# Altium PCB EMI Board V3.PcbDoc
Units mm, origin at the board's own origin, x right, y up, seen from the top; angles counter-clockwise.
Board outline 89.28 x 104.9 mm, 2 copper layers (Top Layer, Bottom Layer); 39 components, 20 nets, 113 pads, 71 vias.
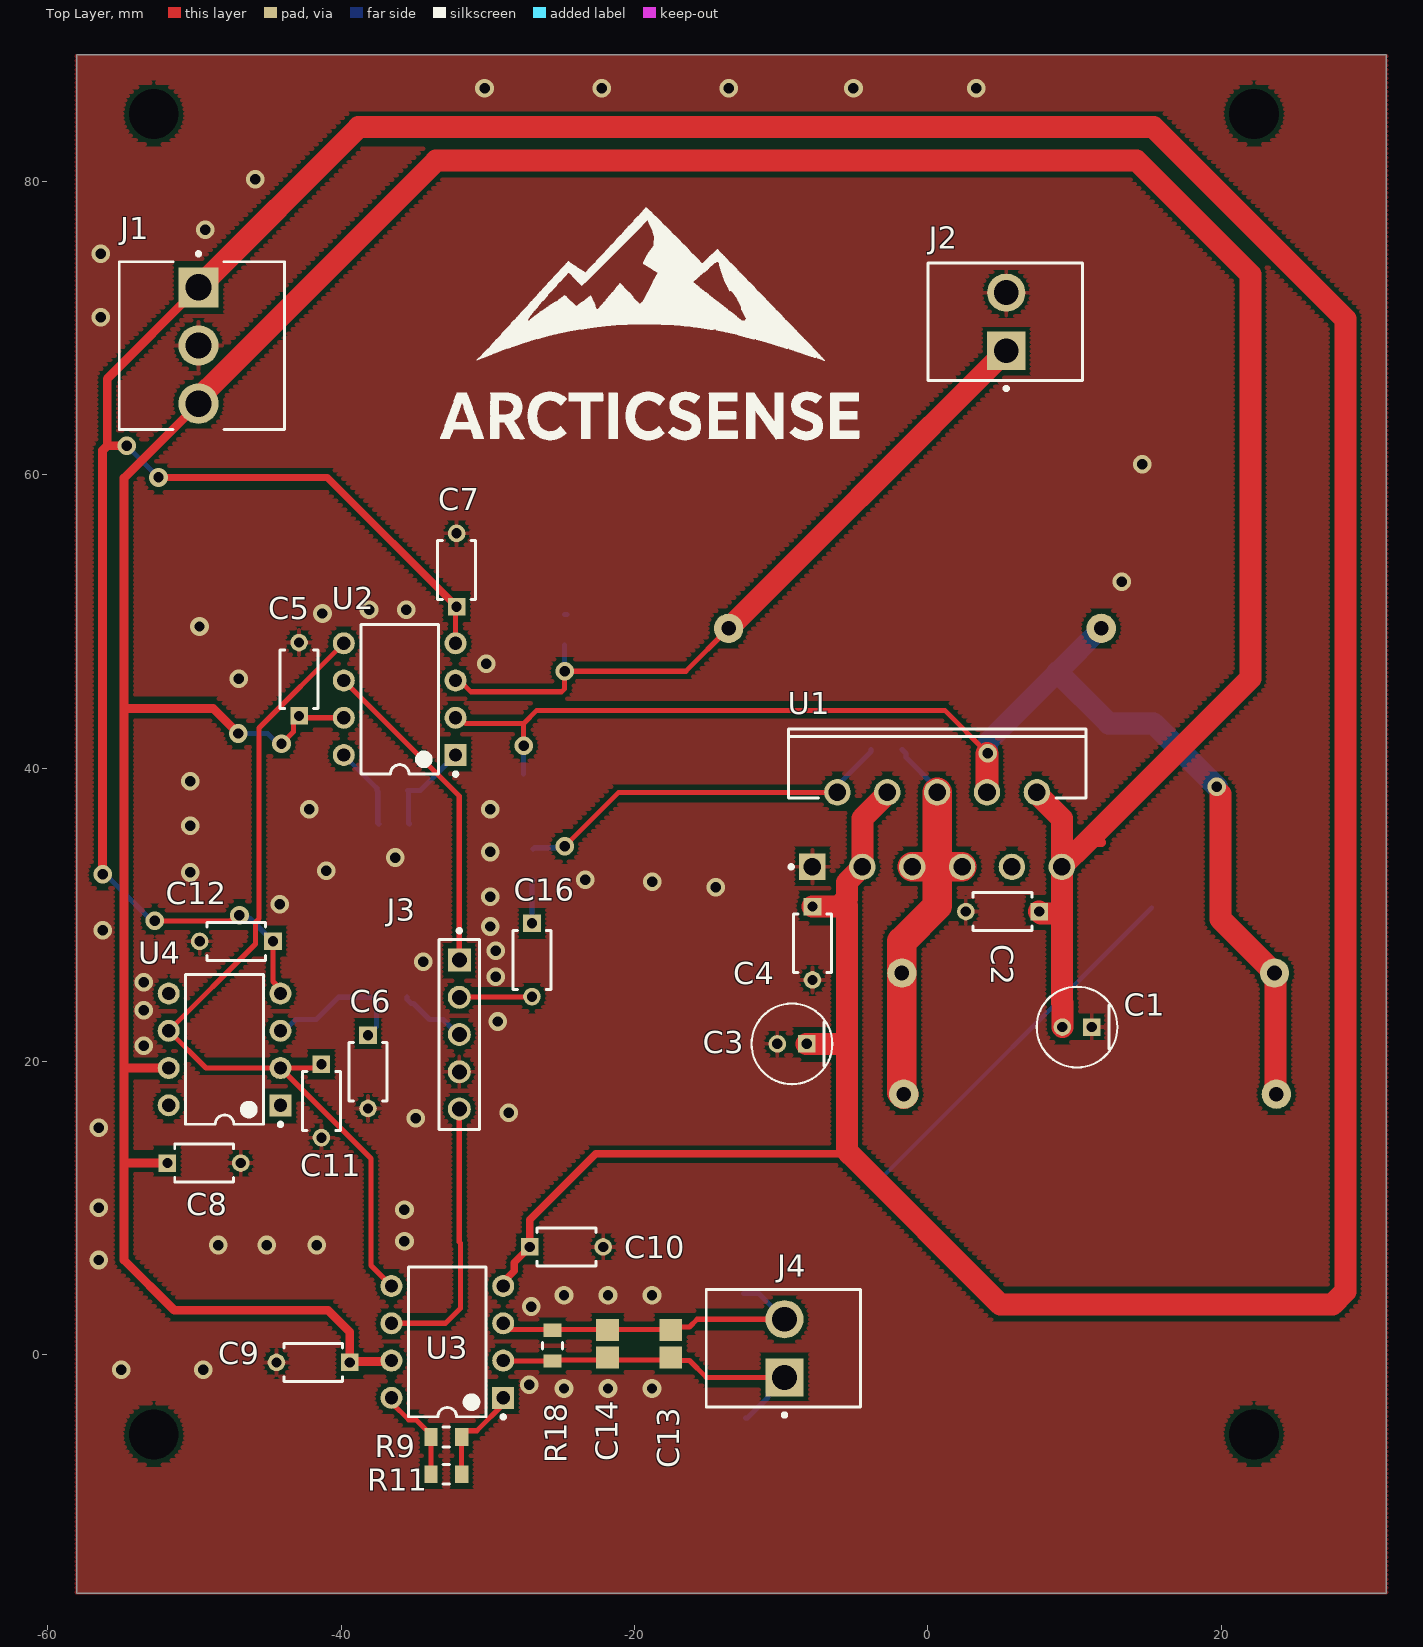
[diagram p0: Top Layer view]
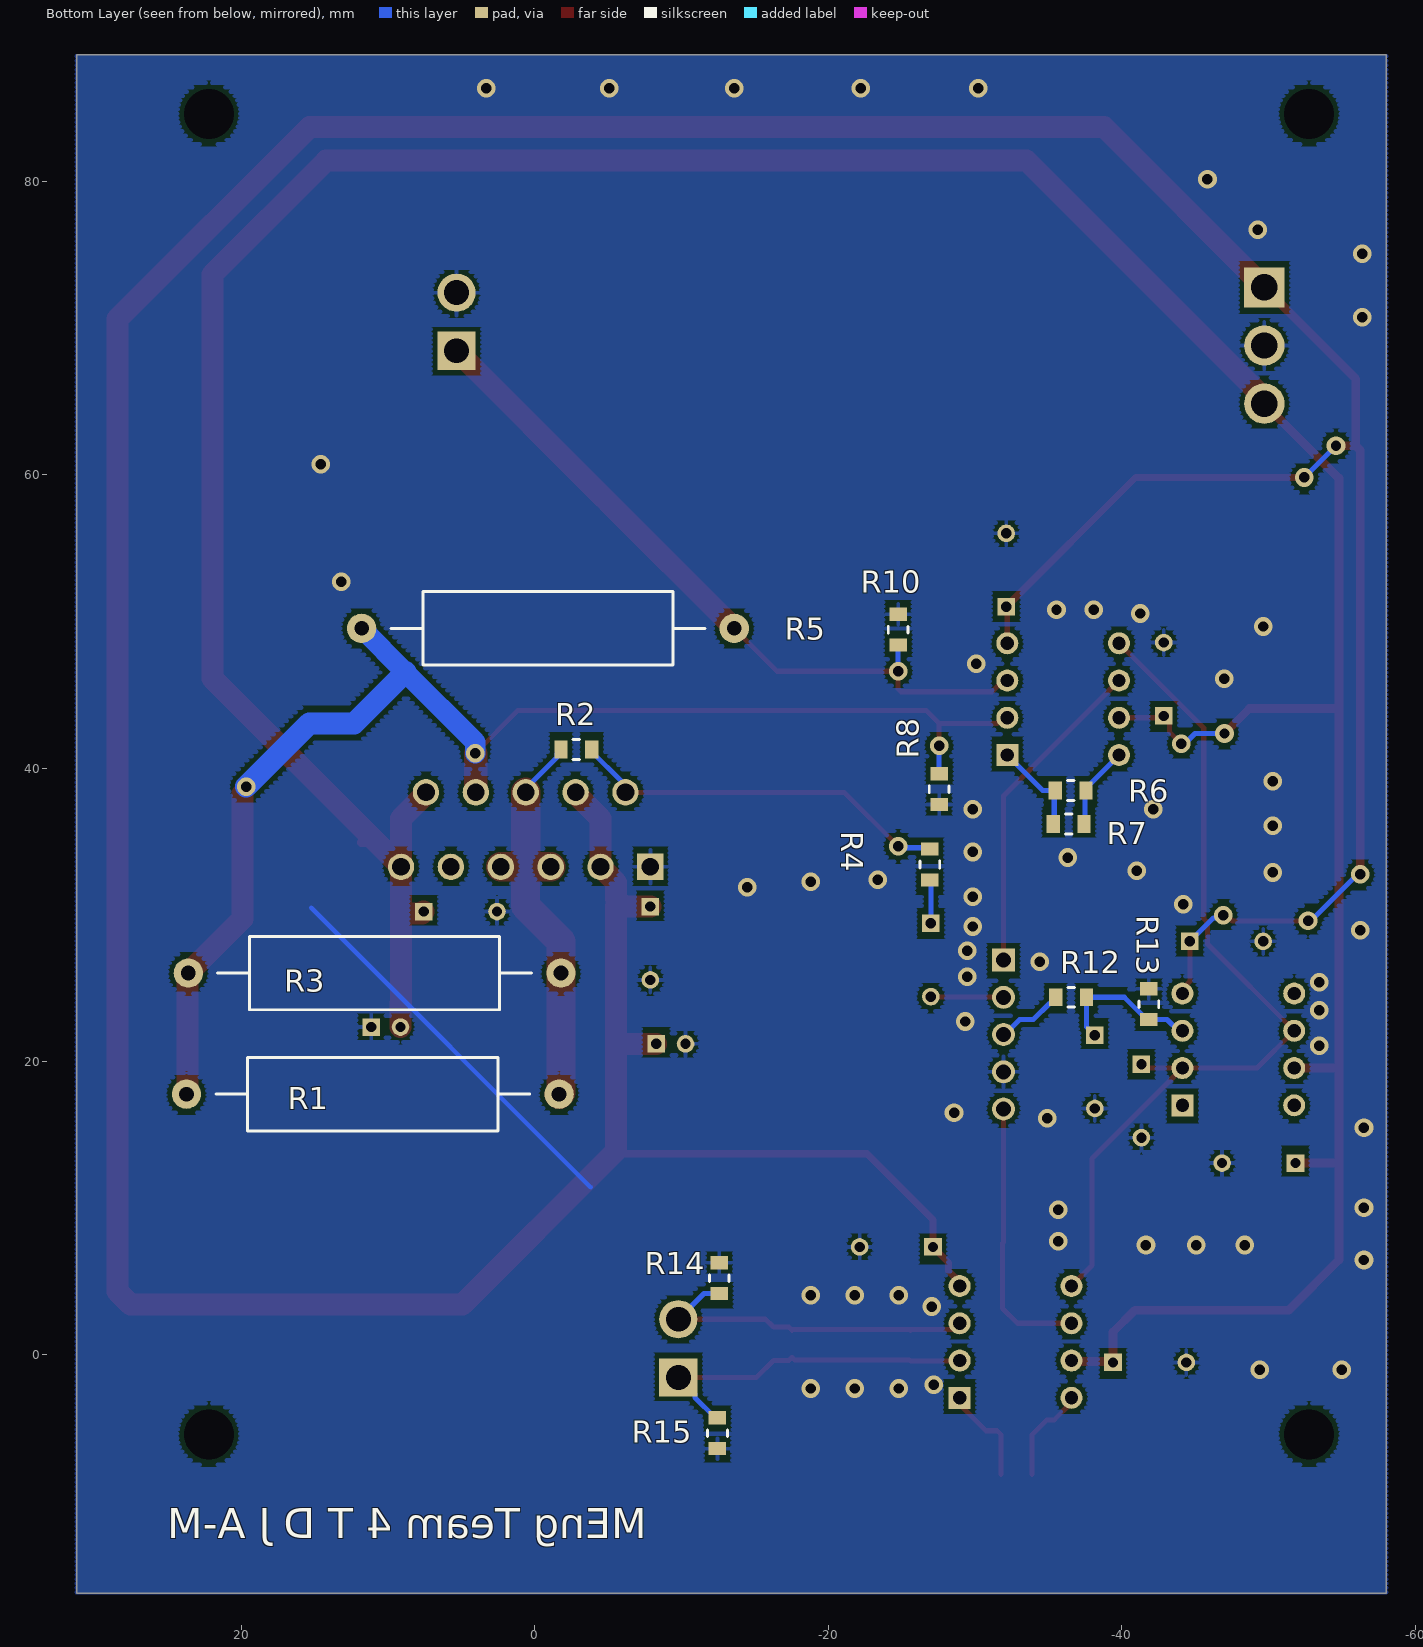
[diagram p1: Bottom Layer view, seen from below]
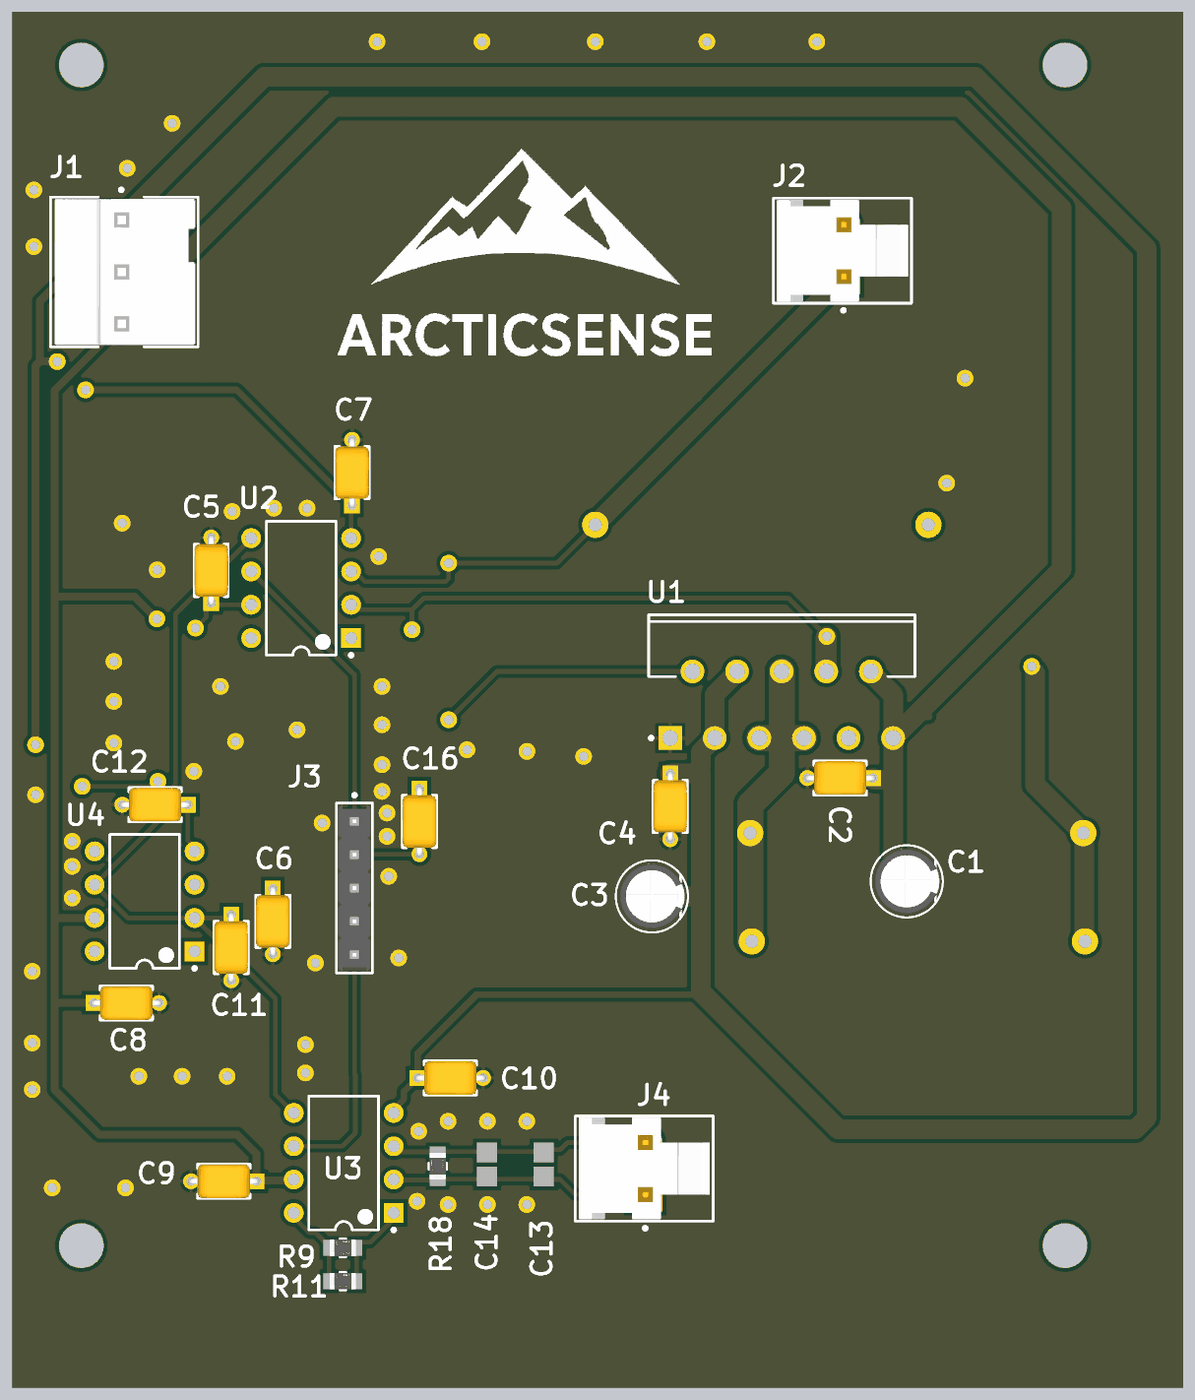
[diagram p2: 3D render of the assembled board from above, using the file's embedded part models]
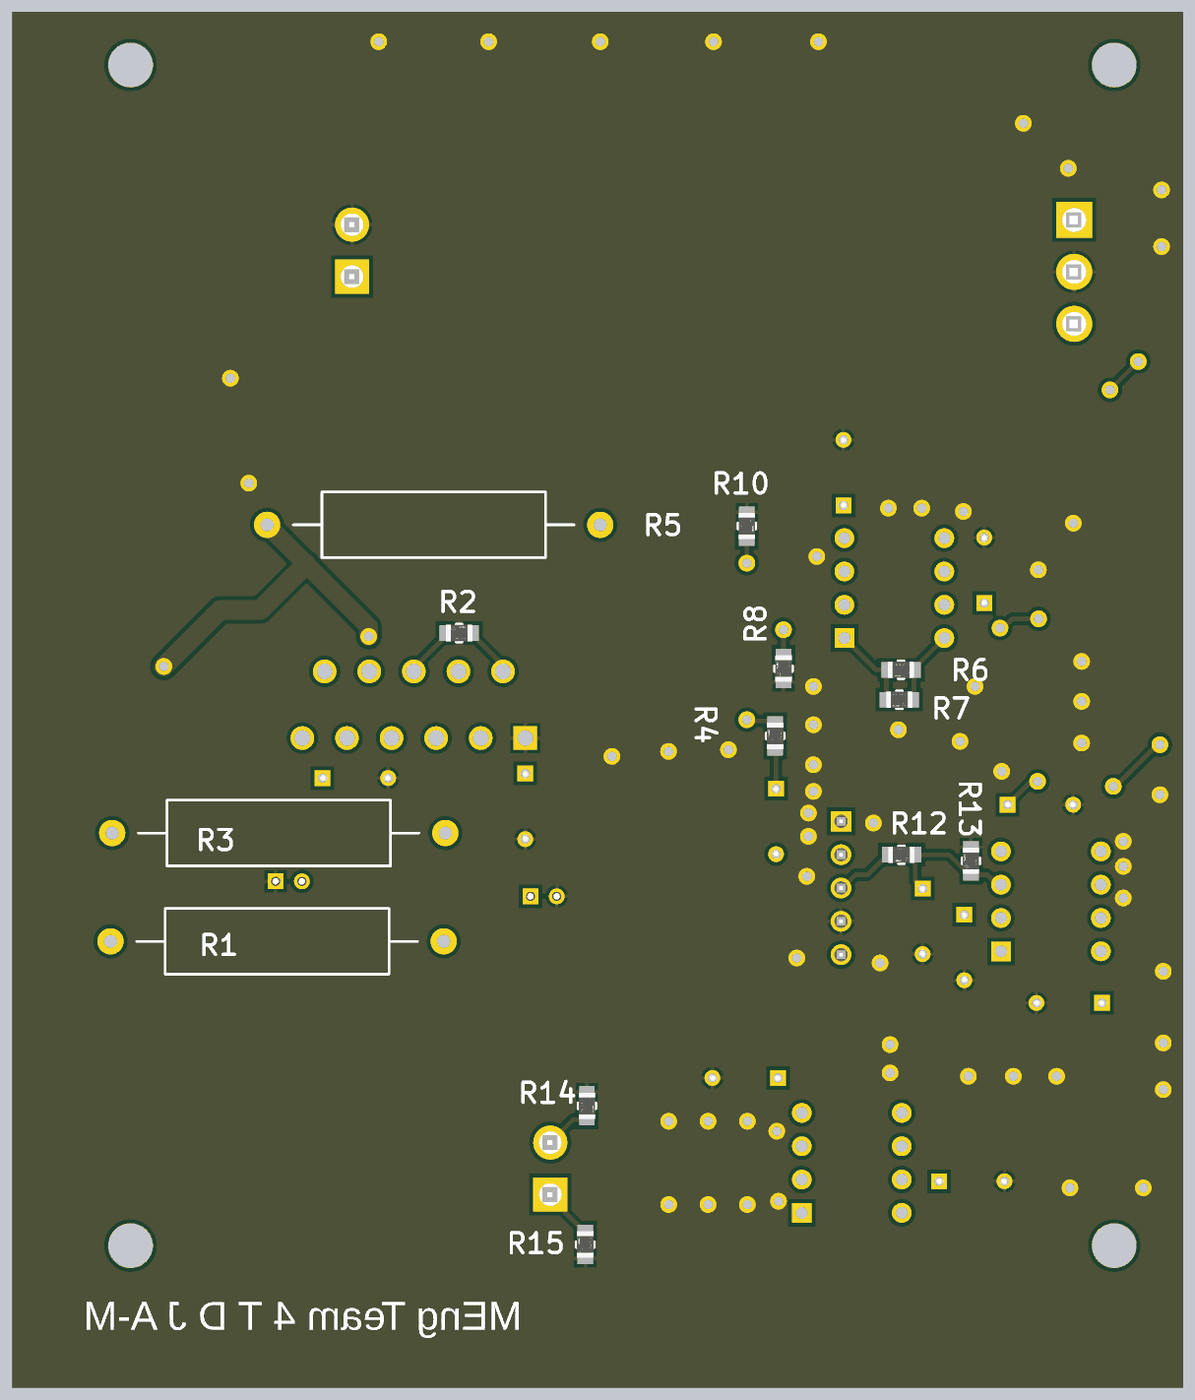
[diagram p3: 3D render of the assembled board from below, using the file's embedded part models]

## Layer stack, top to bottom
Top Solder: solder mask 0.0102, Solder Resist, Dk 3.5
Top Layer: signal copper 0.0356
Dielectric 1: dielectric 0.32, FR-4, Dk 4.8
Bottom Layer: signal copper 0.0356
Bottom Solder: solder mask 0.0102, Solder Resist, Dk 3.5

## Board outline
-58.039,-16.256 -58.039,88.646 31.242,88.646 31.242,-16.256

## Design rules (kind name [scope] priority, off if disabled: settings)
Clearance [All] p1: gap=0.3 ignorepadtopadclearanceinfootprint=FALSE
HoleSize [All] p1: absolutevalues=TRUE maxlimit=6 minlimit=0.3 maxpercent=80.000 minpercent=20.000
PlaneConnect PlaneConnect_2 [All] p1: planeconnectstyle=Relief reliefexpansion=0.508 reliefentries=4 reliefconductorwidth=0.254 reliefairgap=0.254
PlaneConnect PlaneConnect_1 [All] p2: planeconnectstyle=Relief reliefexpansion=0.508 reliefentries=4 reliefconductorwidth=0.254 reliefairgap=0.254
PlaneConnect [All] p3: planeconnectstyle=Relief reliefexpansion=0.508 reliefentries=4 reliefconductorwidth=0.254 reliefairgap=0.254
PolygonConnect IsVia [All] p1: thpad.connectstyle=Relief thpad.reliefconductorwidth=0.254 thpad.reliefentries=4 thpad.polygonreliefangle="90 Angle" thpad.airgapwidth=0.254 smdpad.connectstyle=Relief smdpad.reliefconductorwidth=0.254 smdpad.reliefentries=4 smdpad.polygonreliefangle="90 Angle" smdpad.airgapwidth=0.254 via.connectstyle=Direct via.reliefconductorwidth=0.254 via.reliefentries=4 via.polygonreliefangle="90 Angle" via.airgapwidth=0.254
RoutingVias [All] p1: holewidth=0.711 width=1.27 viastyle="Through Hole" minholewidth=0.3 minwidth=1.27 maxholewidth=6 maxwidth=1.27
SolderMaskExpansion [All] p1: expansion=0 istentingtop=FALSE
SupplyNets "Schematic Supply Nets_4" [InNet('STM ADC_REF')] p1: voltage=0.000
SupplyNets "Schematic Supply Nets_3" [InNet('+15')] p2: voltage=0.000
SupplyNets "Schematic Supply Nets_2" [InNet('GND')] p3: voltage=0.000
SupplyNets "Schematic Supply Nets" [InNet('-15')] p4: voltage=0.000
Width [All] p1: maxlimit=2 minlimit=0.3 preferedwidth=0.35
28 further rules are at their usual default settings.

## Components (designator, comment, footprint, x,y, rotation, side; value= is the part's Value field where it differs from the comment)
C1 "10uF" FP-RAD-TH-D_5_0_5-L_11_1-MFG 10.16,22.352 r180 top
C2 "0.1uF" FP-K15H5-MFG 5.08,30.226 r180 top
C3 "10uF" FP-RAD-TH-D_5_0_5-L_11_1-MFG -9.271,21.209 r180 top
C4 "0.1uF" FP-K15H5-MFG -7.874,28.067 r270 top
C5 "0.1uF" FP-K15H5-MFG -42.869,46.061 r90 top
C6 "0.1uF" FP-K15H5-MFG -38.17,19.304 r270 top
C7 "0.1uF" FP-K15H5-MFG -32.131,53.507 r90 top
C8 "0.1uF" FP-K15H5-MFG -49.346,13.081 r0 top
C9 "0.1uF" FP-K15H5-MFG -41.91,-0.508 r180 top
C10 "0.1uF" FP-K15H5-MFG -24.638,7.366 r0 top
C11 "10nF" FP-K15H5-MFG -41.345,17.312 r270 top
C12 "0.1uF" FP-K15H5-MFG -47.147,28.194 r180 top
C13 "Y" CAPC2013X145X48ML20T23 -17.526,0.762 r90 top
C14 "Y" CAPC2013X145X48ML20T23 -21.844,0.762 r90 top
C16 "0.1uF" FP-K15H5-MFG -26.994,26.924 r270 top
J1 "Power" FP-09-65-2038-MFG -49.502,68.811 r90 top
J2 "TX Coil Connector" FP-26-61-4020-MFG 5.259,70.433 r270 top
J3 "MCU Connections" FP-22-28-4050-MFG -31.947,21.844 r270 top
J4 "RX Coil Connector" FP-26-61-4020-MFG -9.854,0.456 r270 top
R1 "1R" "PRO3 0617" 23.749,17.78 r180 bottom
R2 "100K" FP-RT0805-MFG -2.828,41.275 r180 bottom value=681Ω
R3 "1R" "PRO3 0617" 23.622,26.035 r180 bottom
R4 "4K7" FP-RT0805-MFG -26.924,33.435 r90 bottom value=681Ω
R5 "1R" "PRO3 0617" -13.589,49.53 r0 bottom
R6 "X" FP-RT0805-MFG -36.519,38.481 r0 bottom value=681Ω
R7 "27k" FP-RT0805-MFG -36.392,36.195 r0 bottom value=681Ω
R8 "1M" FP-RT0805-MFG -27.559,38.574 r90 bottom value=681Ω
R9 "10K" FP-RT0805-MFG -32.836,-5.588 r0 top value=681Ω
R10 "1M" FP-RT0805-MFG -24.765,49.437 r270 bottom value=681Ω
R11 "X" FP-RT0805-MFG -32.836,-8.128 r0 top value=681Ω
R12 "10K" FP-RT0805-MFG -36.553,24.384 r0 bottom value=681Ω
R13 "10K" FP-RT0805-MFG -41.853,23.91 r90 bottom value=681Ω
R14 "100k" FP-RT0805-MFG -12.573,5.241 r270 bottom value=681Ω
R15 "100k" FP-RT0805-MFG -12.446,-5.334 r90 bottom value=681Ω
R18 "X" FP-RT0805-MFG -25.597,0.635 r90 top value=681Ω
U1 "OPA541AP" KV0011A 0.633,35.814 r90 top
U2 "INA111AP" P0008A -36.011,44.704 r180 top
U3 "INA111AP" P0008A -32.766,0.889 r180 top
U4 "OPA277PA" P0008A -47.949,20.828 r180 top

## Footprints (in the part's own frame and the unit in brackets; to place one, negate y for a bottom-side part, rotate by r counter-clockwise, add the part's x,y. Pads: shape width x height; smd on the part's side, far side on the other; paste and mask are expansions set on the pad)
CAPC2013X145X48ML20T23 [mm] "Chip Capacitor, 2-Leads, Body 2.00x1.25mm, IPC Low Density"
  rect 1.5x1.55 smd: 1(-0.925,0) 2(0.925,0)
  body extent -1.1,-0.72 1.1,0.72, height 1.45
FP-09-65-2038-MFG [mm]
  rect 2.75x2.75 hole 1.8 paste-2539.97 mask+0: 1(3.96,0.225)
  round 2.75 hole 1.8 paste-2539.97 mask+0: 2(0,0.225) 3(-3.96,0.225)
  silkscreen extent -5.71,-5.62 6.37,5.62, body extent -5.81,-5.72 5.81,5.72, height 0.25
FP-22-28-4050-MFG [mm]
  rect 1.57x1.57 hole 1.02 paste-2539.97 mask+0: 1(-5.08,0)
  round 1.57 hole 1.02 paste-2539.97 mask+0: 2(-2.54,0) 3(0,0) 4(2.54,0) 5(5.08,0)
  silkscreen extent -7.2,-1.37 6.47,1.37, body extent -6.58,-1.47 6.58,1.47, height 0.25
FP-26-61-4020-MFG [mm]
  rect 2.6x2.6 hole 1.7 paste-2539.97 mask+0: 1(1.98,0.075)
  round 2.6 hole 1.7 paste-2539.97 mask+0: 2(-1.98,0.075)
  silkscreen extent -4.01,-5.26 4.67,5.26, body extent -4.11,-5.36 4.11,5.36, height 0.25
FP-K15H5-MFG [mm]
  rect 1.2x1.2 hole 0.7 paste-2539.97 mask+0: 1(-2.5,0)
  round 1.2 hole 0.7 paste-2539.97 mask+0: 2(2.5,0)
  silkscreen extent -2,-1.3 2,1.3, body extent -3.2,-1.4 3.2,1.4, height 0.25
FP-RAD-TH-D_5_0_5-L_11_1-MFG [mm]
  rect 1.2x1.2 hole 0.7 paste-2539.97 mask+0: 1(-1,0)
  round 1.2 hole 0.7 paste-2539.97 mask+0: 2(1,0)
  silkscreen extent -2.75,-2.75 2.75,2.75, body extent -2.85,-2.85 2.85,2.85, height 0.25
FP-RT0805-MFG [mm]
  rect 0.9x1.2 smd paste+0 mask+0: 1(-1.05,0) 2(1.05,0)
  silkscreen extent -0.23,-0.68 0.22,0.68, body extent -1,-0.63 1,0.63, height 0.6
KV0011A [mm] "FM, 11-Leads, Body 20.015x4.495mm, Pitch 1.7mm"
  rect 1.8x1.8 hole 1.2: 1(-2.54,8.51)
  round 1.8 hole 1.2: 2(2.54,6.81) 3(-2.54,5.11) 4(2.54,3.41) 5(-2.54,1.71) 6(2.54,0.01) 7(-2.54,-1.69) 8(2.54,-3.39) 9(-2.54,-5.09) 10(2.54,-6.79) 11(-2.54,-8.49)
  silkscreen extent -2.66,-10.15 6.86,10.15, body extent -2.79,-10.15 6.83,10.15, height 20.82
P0008A [mm] "DIP, 8-Leads, Body 10.15x6.6mm, Pitch 2.54mm"
  rect 1.5x1.5 hole 0.9: 1(-3.81,3.81)
  round 1.5 hole 0.9: 2(-3.81,1.27) 3(-3.81,-1.27) 4(-3.81,-3.81) 5(3.81,-3.81) 6(3.81,-1.27) 7(3.81,1.27) 8(3.81,3.81)
  silkscreen extent -3.94,-5.1 2.65,5.23, body extent -3.95,-5.07 3.95,5.07, height 5.08
"PRO3 0617" [mm]
  round 2 hole 1: 1(0,0) 2(25.4,0)
  silkscreen extent 2,-2.5 23.4,2.5

## Part data
C1 C3: library part CMP-05427-000260-1, "Aluminum Electrolytic Capacitors (Radial Lead Type) AEC-Q200 Qualified 10uF ±20% 50V", Case/Package=Radial, Leakage Current=3uA, Max Operating Temperature=105°C, Min Operating Temperature=-55°C, Package Quantity=2000, Ripple Current=39mA, Tolerance=20%, Voltage Rating=50V, Capacitance=10uF, Construction=RADIAL, Contact Plating=Tin, Diameter=5mm, Height=11mm, Height - Seated (Max)=0.472inch, Lead Diameter=0.5mm, Lead Free="Lead Free", Lead Pitch=2.5mm, Lead/Base Style=Straight, Length=11mm, Life (Hours)=1000Hour, Mount="Through Hole", Packaging="Ammo Pack", Polarity=Polar, Radiation Hardening=No, RoHS Compliant=Yes, Series=NHG, Termination=Radial, Voltage Rating (DC)=50V
C2 C4 C5 C6 C7 C8 C9 C10 C11 C12 C16: library part CMP-02417-000048-1, "CAP CER 0.1UF 50V X7R RADIAL", Capacitance=100nF, Case/Package=Dipped, Dielectric=X7R, Max Operating Temperature=125°C, Min Operating Temperature=-55°C, Package Quantity=5000, Tolerance=10%, Voltage=50V, Construction=RADIAL, Depth=2.5mm, Diameter=500um, Height=4mm, Height - Seated (Max)=0.1inch, Lead Diameter=0.5mm, Lead Length=30mm, Lead Pitch=5mm, Lead/Base Style="Formed Leads", Length=4mm, Mount="Through Hole", Packaging=Bulk, Radiation Hardening=No, RoHS Compliant=Yes, Series=K, Termination=Radial, Thickness=2.6mm, Voltage Rating=50V, Voltage Rating (DC)=50V, Weight=0.005644oz, Width=2.5mm
C13 C14: library part CMP-2007-03205-1, Manufacturer=Vitramon, Part Number=VJ0805Y682KXAMT
J1: library part CMP-04776-000251-1, "CONN HEADER VERT 3POS 3.96MM", Color=Natural, Contact Resistance=10mR, Current Rating=7A, Flammability Rating="UL94 V-2", Max Operating Temperature=105°C, Max Voltage Rating (AC)=250V, Min Operating Temperature=-40°C, Package Quantity=8000, Contact Gender=Male, Contact Material=Brass, Contact Plating=Tin, Gender=Male, Glow Wire Compliant=Non-compliant, Halogen Free="Halogen Free", Housing Color=Natural, Housing Material=Nylon, Lead Free="Lead Free", Mating Cycles=30, Mount="Through Hole", Number of Contacts=3, Number of Positions=3, Number of Rows=1, Orientation=Straight, Packaging=Bulk, Pitch=3.96mm, Radiation Hardening=No, RoHS Compliant=Yes, Series=5273, Termination="Through Hole", Voltage Rating=250V, Voltage Rating (DC)=250V
J2 J4: library part CMP-00257-00277943-1, "26-61-4020 3.96mm (.156\") Pitch KK® Solid Header, Vertical, Friction Lock, 2 Circuits, Gold (Au) Plating", Color=Natural, Contact Resistance=6mΩ, Current Rating=7A, Flammability Rating="UL94 V-0", Insulation Resistance=50GΩ, Manufacturer Lifecycle Status=ACTIVE, Max Operating Temperature=75°C, Max Voltage Rating (AC)=250V, Min Operating Temperature=0°C, Contact Material=Brass, Contact Plating=Gold, Country of Origin=US, Depth=10.01mm, Gender=Male, Glow Wire Compliant=Non-compliant, Height=14.73mm, Housing Color=Natural, Housing Material=Polyester, Lead Free="Lead Free", Lead Pitch=3.96mm, Length=7.77mm, Lifecycle Status=Production, Max Current Rating=7A, Mount="Through Hole", NexarPartId=277943, Number of Circuits=2, Number of Contacts=2, Number of Positions=2, Number of Rows=1, Orientation="Right Angle, Vertical", Packaging=Bulk, Pitch=3.96mm, Radiation Hardening=No, REACH SVHC=Unknown, RoHS=Compliant, Schedule B=8536694040, Termination=Solder, Voltage Rating=250V, Voltage Rating (DC)=250V
J3: library part CMP-00257-00278173-1, "22-28-4050 KK® 254 Breakaway Header, Vertical, 5 Circuits, Tin (Sn) Plating, Mating Pin Length 6.09mm", Color=Black, Contact Resistance=20mΩ, Current Rating=4A, Flammability Rating="UL94 V-0", Max Operating Temperature=75°C, Max Voltage Rating (DC)=250.25kV, Min Operating Temperature=0°C, Voltage Rating=250V, Connector Type="Male Pin", Contact Material=Brass, Contact Mating Length=6.096mm, Contact Plating=Tin, Gender=Male, Glow Wire Compliant=Non-compliant, Height=2.29mm, Housing Color=Black, Housing Material=Thermoplastic, Lead Free="Lead Free", Lead Pitch=2.54mm, Length=12.7mm, Mount="Through Hole", NexarPartId=278173, Number of Circuits=5, Number of Contacts=5, Number of Positions=5, Number of Rows=1, Orientation=Vertical, Packaging=Bulk, Pitch=2.54mm, Radiation Hardening=No, REACH SVHC=Unknown, RoHS=Compliant, Schedule B=8536694040, Termination=Solder, Voltage Rating (DC)=250V, Width=2.49mm
R1 R3 R5: library part R?, "1 ohm 3w"
R2 R4 R6 R7 R8 R9 R10 R11 R12 R13 R14 R15 R18: library part CMP-03412-002763-1, "RES SMD 681 OHM 0.1% 1/8W 0805", Manufacturer=Yageo, Manufacturer Part Number=RT0805BRD07681RL, Package=RT0805, Power Rating=0.125W, Resistance=681Ω, Temperature="-55°C to +155°C", Temperature Coefficient="25 ppm/°C", Temperature Range High=+155°C, Temperature Range Low=-55°C, Tolerance=0.0025, Voltage Rating=150V, Automotive=No, Category=Res, ComponentLink2Description=Datasheet, ComponentLink2URL=http://www.yageo.com/documents/recent/PYu-RT_1-to-0.01_RoHS_L_9.pdf, Composition="Thin Film", Device Class L1="Passive Components", Device Class L2=Resistors, Device Class L3="Chip SMD Resistors", Digikey Description="RES SMD 681 OHM 0.1% 1/8W 0805", Footprint Url=http://www.yageo.com/exep/pages/download/literatures/PYu-R_Mount_10.pdf, Height=0.6mm, Ipc Land Pattern Name=RESC200125X50, Lead Free=Yes, Mouser Description="Thin Film Resistors - SMD 1/8W 681 ohm .1% 25ppm", Octopart=https://octopart.com/rt0805brd07681rl-yageo-1270194, RoHS=TRUE, Series=RT
U1: library part CMP-0272-03690-4, "High Power Monolithic Operational Amplifier, 20 to 70 V, -25 to 85 degC, 11-pin FM (KV11), Green (RoHS & no Sb/Br)", Manufacturer="Texas Instruments", Rating=Catalog, Total Supply Voltage(Max)(+5V is 5, +/-5V is 10)=70, Total Supply Voltage(Min)(+5V is 5, +/-5V is 10)=20, CMRR(Min)(dB)=95, Code_JEDEC=MO-48-AA, ComponentLink1Description="Manufacturer URL", ComponentLink1URL=http://www.ti.com/, ComponentLink2Description=Datasheet, ComponentLink2URL=http://www.ti.com/lit/ds/symlink/opa541.pdf, DatasheetVersion=SBOS153A, Eco-Plan="Green (RoHS & no Sb/Br)", GBW(Typ)(MHz)=1.6, IIB(Max)(pA)=50, Iq per channel(Max)(mA)=25, Mounting Technology="Through Hole", Number Of Channels=1, Offset Drift(Typ)(uV/C)=20, PackageDescription="11-Pin Plastic Flange Mount, Body 20.015 x 4.495 mm, Pitch 1.7 mm", PackageReference=KV0011A, Packing=TUBE, PartNumber=OPA541AP, Slew Rate(Typ)(V/us)=10, Sub Family="High Output Current Amplifier (>=50mA), High Supply Voltage Amplifier (>=30V), Precision Amplifier", Vio (25C)(Max)(mV)=10
U2 U3: library part CMP-0992-00142-2, "High Speed FET-Input Instrumentation Amplifier, -40 to 85 degC, 8-pin DIP (P8), Green (RoHS & no Sb/Br)", Input Bias Current (+/-)(Max)(nA)=0.02, Manufacturer="Texas Instruments", Quiescent Current (+/-)(Typ)(mA)=3.3, CMRR(Min)(dB)=100, Code_JEDEC=MS-001, ComponentLink1Description="Manufacturer URL", ComponentLink1URL=http://www.ti.com/, ComponentLink2Description=Datasheet, ComponentLink2URL=http://www.ti.com/general/docs/lit/getliterature.tsp?genericPartNumber=INA111&fileType=pdf, ComponentLink3Description="Package Specification", ComponentLink3URL=http://www.ti.com/litv/pdf/mpdi001b, DatasheetVersion=SBOS015, Eco-Plan="Green (RoHS & no Sb/Br)", Gain(V/V)="1 to 10000", Input Offset (+/-)(Max)(uV)=1000, Input Offset Drift (+/-)(Max)(uV/Degrees Celsius)=10, Mounting Technology="Through Hole", Noise at 1kHz(Typ)(nV/rt(Hz))=10, Non-Linearity (+/-)(Max)(%)=0.01, Number Of Channels=1, PackageDescription="8-Pin Plastic In-Line, Body 9.59 x 6.35 mm, Pitch 2.54 mm", PackageReference=P0008A, PackageVersion="4040082/E, 04/2010", PartNumber=INA111AP, SubFamily="Dual Supply", Vs(Max)(V)=36, Vs(Min)(V)=12
U4: library part CMP-0272-01522-3, "High Precision Operational Amplifier, 4 to 36 V, -55 to 125 degC, 8-pin DIP (P8), Green (RoHS & no Sb/Br)", Manufacturer="Texas Instruments", Rating=Catalog, Total Supply Voltage(Max)(+5V is 5, +/-5V is 10)=36, Total Supply Voltage(Min)(+5V is 5, +/-5V is 10)=4, CMRR(Min)(dB)=115, Code_JEDEC=MS-001, ComponentLink1Description="Manufacturer URL", ComponentLink1URL=http://www.ti.com/, ComponentLink2Description=Datasheet, ComponentLink2URL=http://www.ti.com/lit/ds/symlink/opa277.pdf, ComponentLink3Description="Package Specification", ComponentLink3URL=http://www.ti.com/litv/pdf/mpdi001b, DatasheetVersion=SBOS079A, Eco-Plan="Green (RoHS & no Sb/Br)", GBW(Typ)(MHz)=1, IIB(Max)(pA)=2800, Iq per channel(Max)(mA)=0.825, Mounting Technology="Through Hole", Number Of Channels=1, Offset Drift(Typ)(uV/C)=0.15, PackageDescription="8-Pin Plastic In-Line, Body 9.59 x 6.35 mm, Pitch 2.54 mm", PackageReference=P0008A, PackageVersion="4040082/E, 04/2010", Packing=TUBE, PartNumber=OPA277PA, Slew Rate(Typ)(V/us)=0.8, Sub Family="High Supply Voltage Amplifier (>=30V), Low Noise Amp (<=10nV/rtHz), Low Offset Voltage Amplifier (<=500uV), Precision Amplifier", Vio (25C)(Max)(mV)=0.05

## Free pads (board coordinates)
  round 1.524 hole 3.4: 27(-52.775,-5.418) 29(22.225,-5.418) 31(-52.775,84.582) 34(22.225,84.582)

## Via types
v1: diameter 1.27, hole 0.711, Top Layer to Bottom Layer, 71 vias

## Nets (pads, with @x,y where several pads share a name; then routed paths per layer and width w, separated by ;. In a path a pad name is that pad's centre, name@x,y a point inside that pad or via, vN(x,y) a via of type N, cw(c..) or ccw(c..) an arc to the next point about the centre after c; other vN are vias at no path point)
"+1.65V Reference": C11.1 U2.5 U3.5 U4.2 U4.6 | length 60.9
  Top Layer w0.35: C11.1 -41.599,19.558 U4.2 ; U2.5 -45.593,42.742 -45.593,29.742 -45.847,29.488 -45.847,28.01 U4.6 -49.219,19.558 U4.2 ; U3.5 -37.973,6.096 -37.973,13.392 U4.2
+15: C1.2 C2.1 C5.1 C8.1 C9.1 J1.3 U1.10 U1.11 U2.7 U3.7 U4.7 | length 253.4
  Top Layer w0.35: -54.807,19.304 -54.553,19.558 ; v1(-44.069,41.656) -43.249,42.476 -43.249,43.181 C5.1 -42.742,43.434 U2.7
  Top Layer w0.6: -54.553,19.558 U4.7 ; C8.1 -54.807,13.081 ; J1.3 -54.807,59.771 -54.807,44.069 ; v1(-47.01,42.364) -48.715,44.069 -54.807,44.069 ; U3.7 -36.64,-0.444 -39.346,-0.444 C9.1 -39.41,1.564 -40.894,3.048 -51.378,3.048 -54.807,6.477 -54.807,13.081 ; 9.123,24.04 9.16,24.003 ; 9.123,31.242 9.21,31.329 ; 10.785,34.935 11.821,34.935 ; -54.807,13.081 -54.807,19.304 -54.807,44.069
  Top Layer w1.5: J1.3 -49.727,65.189 -49.102,65.814 -49.102,65.833 -33.528,81.407 14.224,81.407 21.968,73.663 21.968,46.119 10.785,34.935 U1.11 ; U1.10 7.423,38.273 9.123,36.573 U1.11 ; C2.1 7.707,30.099 9.123,30.099 ; 9.123,24.04 9.123,30.099 ; C1.2 9.16,24.003 ; 9.123,30.099 9.123,31.242 U1.11
  Bottom Layer w0.35: v1(-47.01,42.364) -45.002,42.364 -44.294,41.656 v1(-44.069,41.656)
-15: C3.1 C4.1 C7.1 C10.1 C12.1 J1.1 U1.3 U1.4 U2.4 U3.4 U4.4 | length 344
  Top Layer w0.35: -55.95,61.976 -55.95,62.103 -55.823,61.976 ; v1(-52.705,29.591) -47.563,29.591 -47.182,29.972 v1(-46.933,29.972) ; C12.1 -44.647,25.457 -44.139,24.949 U4.4 ; C7.1 -32.201,50.937 U2.4 U2.4@-31.981,48.734
  Top Layer w0.5: v1(-52.451,59.817) -40.941,59.817 C7.1 ; U3.4 -28.956,4.97 -28.195,5.73 -28.195,6.309 C10.1 -27.138,9.224 -22.646,13.716 -5.334,13.716
  Top Layer w0.6: v1(-56.261,32.766) -56.261,61.665 -55.95,61.976 ; -55.95,62.103 -55.95,66.548 J1.1 ; -55.823,61.976 v1(-54.61,61.976)
  Top Layer w1.5: J1.1 -38.805,83.693 15.367,83.693 28.448,70.612 28.448,4.327 27.569,3.448 4.934,3.448 -5.334,13.716 -5.531,13.913 -5.531,21.209 ; C3.1 -5.531,21.209 ; C4.1 -6.079,30.567 -5.785,30.861 -5.531,31.115 -5.531,32.22 U1.3 -4.477,36.573 -2.777,38.273 U1.4 ; -5.531,30.607 -5.531,21.209
  Bottom Layer w0.35: v1(-56.261,32.766) -56.071,32.766 -52.896,29.591 v1(-52.705,29.591) ; v1(-54.61,61.976) v1(-52.451,59.817) ; v1(-46.933,29.972) -46.757,29.796 -46.249,29.796 C12.1
GND: C1.1 C2.2 C3.2 C4.2 C5.2 C6.2 C7.2 C8.2 C9.2 C10.2 C11.2 C12.2 J1.2 J2.2 J3.4 R8.1 R10.1 R13.2 R14.1 R15.1 U1.1 | length 27.1
  Bottom Layer w0.3: -3.81,11.421 15.249,30.48
  Bottom Layer w0.35: R10.1 R10.1@-24.615,50.487
  other v1: -24.81,-2.286 -21.81,-2.286 -18.81,-2.286 -27.178,-2.032 -54.991,-1.016 -49.403,-1.016 -27.051,3.302 -24.81,4.064 -21.81,4.064 -18.81,4.064 -56.515,6.477 -48.387,7.493 -45.085,7.493 -41.656,7.493 -35.687,7.747 -35.687,9.906 -56.515,10.033 -56.515,15.494 -34.925,16.129 -28.575,16.51 -53.467,21.082 -29.337,22.733 -53.467,23.495 -53.467,25.4 -29.464,25.781 -34.417,26.797 -29.464,27.559 -56.261,28.956 -29.845,29.21 -44.196,30.734 -29.845,31.242 -14.478,31.877 -18.796,32.258 -23.368,32.385 -50.292,32.893 -41.021,33.02 -36.322,33.909 -29.845,34.29 -50.292,36.068 -42.164,37.211 -29.845,37.211 -50.292,39.116 -46.99,46.101 -30.099,47.117 -49.657,49.657 -41.275,50.546 -38.1,50.8 -35.56,50.8 13.208,52.705 14.605,60.706 -56.388,70.739 -56.388,75.057 -49.276,76.708 -45.847,80.137 -30.226,86.36 -22.225,86.36 -13.589,86.36 -5.08,86.36 3.302,86.36
NetC6_1: C6.1 R12.1 R13.1 U4.3 | length 10.3
  Bottom Layer w0.35: U4.3 -43.86,22.098 -43.098,22.86 R13.1 -41.703,22.86 -40.179,24.384 R12.1 -37.603,22.371 C6.1
NetC13_1: C13.1 C14.1 J4.1 R15.2 R18.1 U3.2 | length 23.8
  Top Layer w0.35: U3.2 -28.922,-0.415 R18.1 -25.534,-0.352 -17.715,-0.352 C13.1 -17.31,-0.379 -16.258,-0.379 -15.113,-1.524 J4.1
  Bottom Layer w0.35: R15.2 -12.296,-4.284 -10.904,-2.892 -10.904,-2.649 J4.1
NetC13_2: C13.2 C14.2 J4.2 R14.2 R18.2 U3.3 | length 23
  Top Layer w0.35: U3.3@-28.899,1.778 -28.852,1.731 -25.644,1.731 R18.2 -25.534,1.748 -17.587,1.748 C13.2 -17.31,1.903 -16.258,1.903 -15.725,2.436 J4.2
  Bottom Layer w0.35: R14.2 -11.534,4.191 J4.2
NetC16_1: C16.1 R4.1 | length 3
  Bottom Layer w0.35: C16.1 -26.994,32.315 R4.1
NetJ2_1: J2.1 R5.1 R10.2 U2.3 | length 49.6
  Top Layer w0.35: U2.3 -31.922,45.974 -31.16,45.212 -24.97,45.212 -24.765,45.417 v1(-24.765,46.609) -16.51,46.609 R5.1
  Top Layer w1.5: R5.1 -4.953,58.166 ; -4.699,58.42 J2.1
  Bottom Layer w0.35: v1(-24.765,46.609) R10.2
NetR1_1: R1.1 R3.1 R5.2 R8.2 U1.8 U2.2 | length 92.8
  Top Layer w0.35: U2.2 U2.2@-31.929,43.434 ; U2.2@-31.709,43.654 U2.2@-31.929,43.434 ; v1(-27.559,41.529) -27.559,43.053 ; v1(4.064,41.021) 1.143,43.942 -26.67,43.942 -27.559,43.053 ; v1(19.685,38.735) 19.685,38.486 v1@19.939,38.232 ; R3.1 R3.1@23.685,25.971 ; R1.1@23.685,17.843 R1.1 ; U2.2@-31.929,43.434 -31.89,43.434 -31.509,43.053 -27.559,43.053
  Top Layer w1.5: v1@19.939,38.232 19.939,29.718 R3.1 ; R1.1@23.685,17.843 R3.1@23.685,25.971
  Top Layer w1.6: U1.8 v1@4.023,40.98
  Bottom Layer w0.35: R8.2 v1(-27.559,41.529)
  Bottom Layer w1.4: v1(4.064,41.021) 4.064,41.783 8.826,46.545 R5.2
  Bottom Layer w1.5: 8.826,46.545 12.319,43.053 15.367,43.053 v1(19.685,38.735)
NetR2_2: R2.2 R4.2 U1.2 | length 26.2
  Top Layer w0.35: v1(-24.765,34.671) -21.082,38.354 U1.2
  Bottom Layer w0.35: R4.2 -26.831,34.578 -24.858,34.578 v1(-24.765,34.671) ; U1.2 -5.9,38.631 -5.9,39.103 -3.878,41.125 R2.2
NetR6_1: R6.1 R7.1 U2.8 | length 5.7
  Bottom Layer w0.35: U2.8 -39.821,40.883 -37.569,38.631 R6.1 -37.505,38.417 -37.505,36.258 R7.1
NetR6_2: R6.2 R7.2 U2.1 | length 6.6
  Bottom Layer w0.35: R7.2 -35.406,36.258 -35.406,38.417 R6.2 -34.614,38.481 U2.1
NetR9_1: R9.1 R11.1 U3.8 | length 6.2
  Top Layer w0.35: U3.8@-36.519,-3.302 -35.401,-4.42 -34.904,-4.42 -33.886,-5.438 R9.1 R11.1
NetR9_2: R9.2 R11.2 U3.1 | length 6.5
  Top Layer w0.35: R11.2 R9.2 -31.786,-5.438 -31.511,-5.163 -30.76,-5.163 U3.1@-28.899,-3.302
OUT: R1.2 R2.1 R3.2 U1.5 U1.6 U1.7 | length 28.9
  Top Layer w2: R1.2 -1.778,17.907 R3.2 -1.778,28.194 0.635,30.607 0.635,33.262 0.623,33.274 ; U1.5 0.623,33.274 ; U1.6 0.623,33.274 ; U1.7 0.623,33.274
  Bottom Layer w0.35: R2.1 -1.503,41 -1.503,40.746 0.623,38.62 U1.6
"RX Signal Out": J3.5 U3.6 | length 18.7
  Top Layer w0.35: U3.6 -32.893,2.159 -31.877,3.175 -31.877,7.62 -31.947,7.69 J3.5
"Shunt Voltage": J3.1 U2.6 | length 22.3
  Top Layer w0.35: U2.6 -31.947,38.1 J3.1
"Signal Input": C16.2 J3.2 | length 5
  Top Layer w0.35: J3.2 -31.927,24.404 -27.014,24.404 C16.2
"STM ADC_REF": J3.3 R12.2 | length 4.7
  Bottom Layer w0.35: R12.2 -35.503,24.234 -35.228,23.959 -35.078,23.959 -33.979,22.86 -33.054,22.86 -32.038,21.844 J3.3
pads on no net: U1.9 U4.1 U4.5 U4.8

## Polygon pours and split planes (outlines as drawn)
GND on Top Layer "GND_L01_P001" (hatched Horizontal grid 0.3 track 0.3, remove dead copper, pour order 1): -58.039,88.646 31.242,88.646 31.242,-16.256 -58.039,-16.256
GND on Bottom Layer "GND_L02_P000" (hatched Horizontal grid 0.3 track 0.3, remove dead copper, pour order 0): -58.039,88.646 31.242,88.646 31.242,-16.256 -58.039,-16.256

## Silkscreen, mask and mechanical layers (free items; w line width, h text height)
Top Overlay:
  drawing of 13 lines, arcs and shapes, not listed
Bottom Overlay:
  text "MEng Team 4 T D J A-M" at -7.62,-13.163 h3.5
Mechanical 1:
  lines w0.254: -58.039,-10.414 31.242,-10.414 31.242,19.304 31.242,58.928 31.242,88.646 -58.039,88.646 -58.039,-10.414